# Altium PCB ct_mainpcb.PcbDoc (part 1 of 3) (continued)
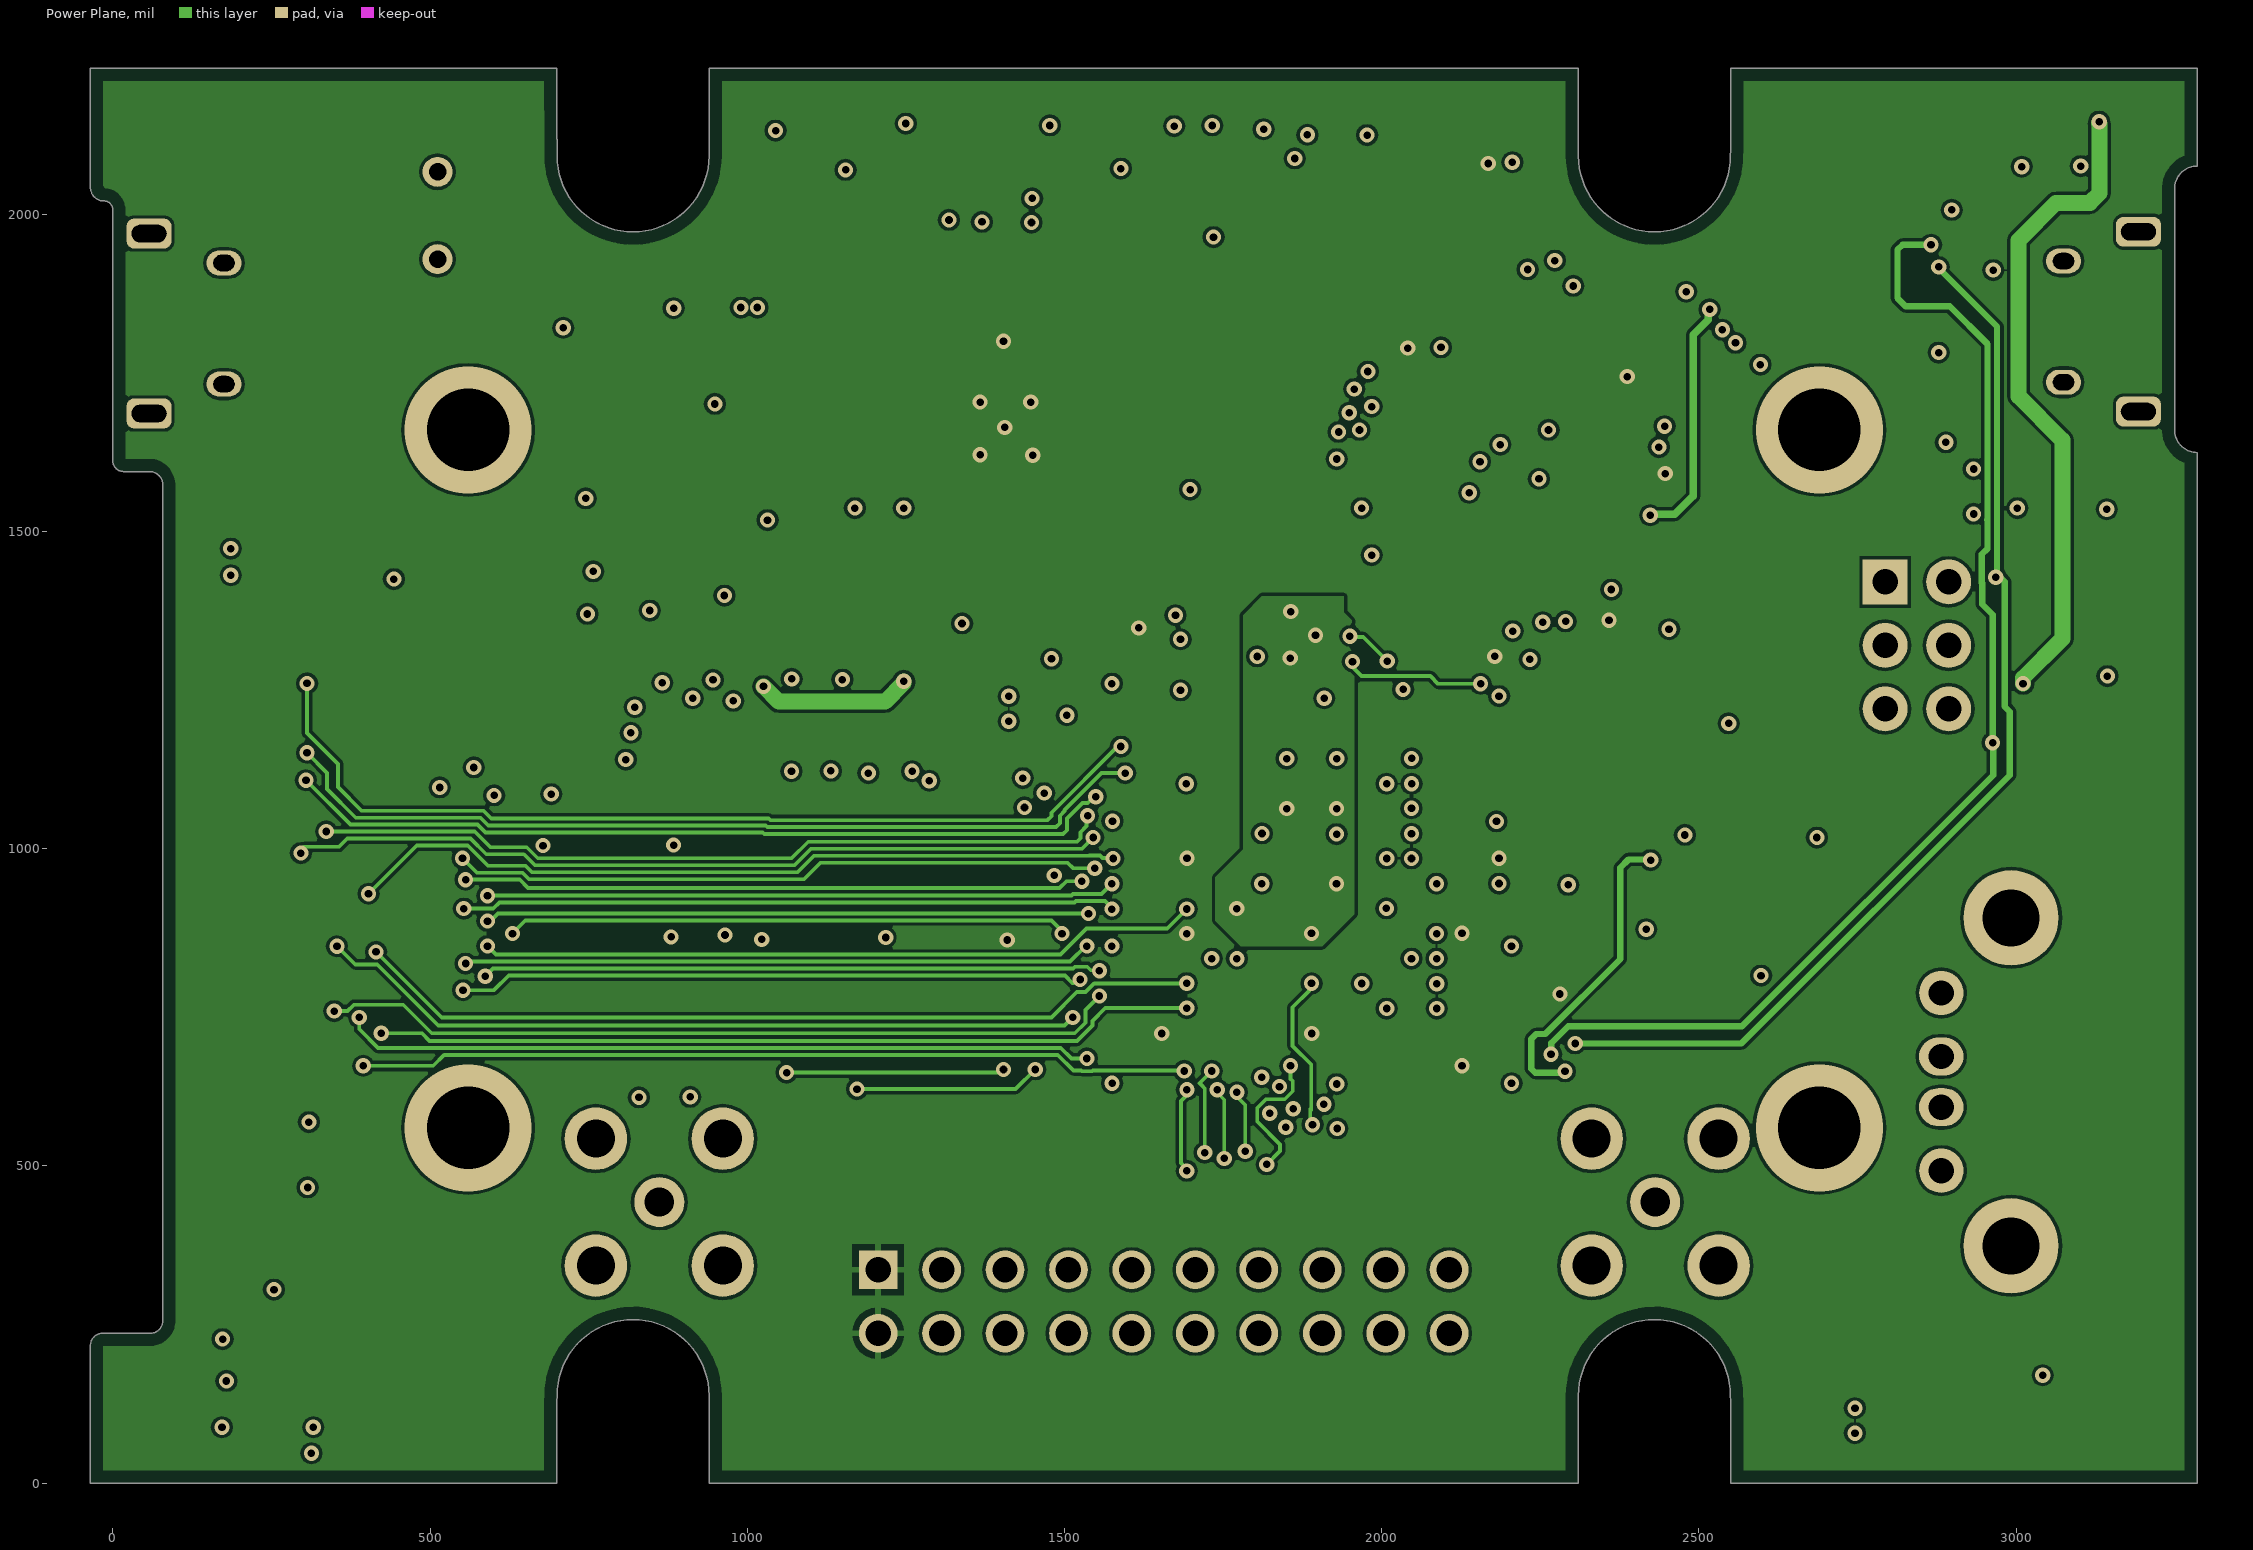
[diagram p3: Power Plane]
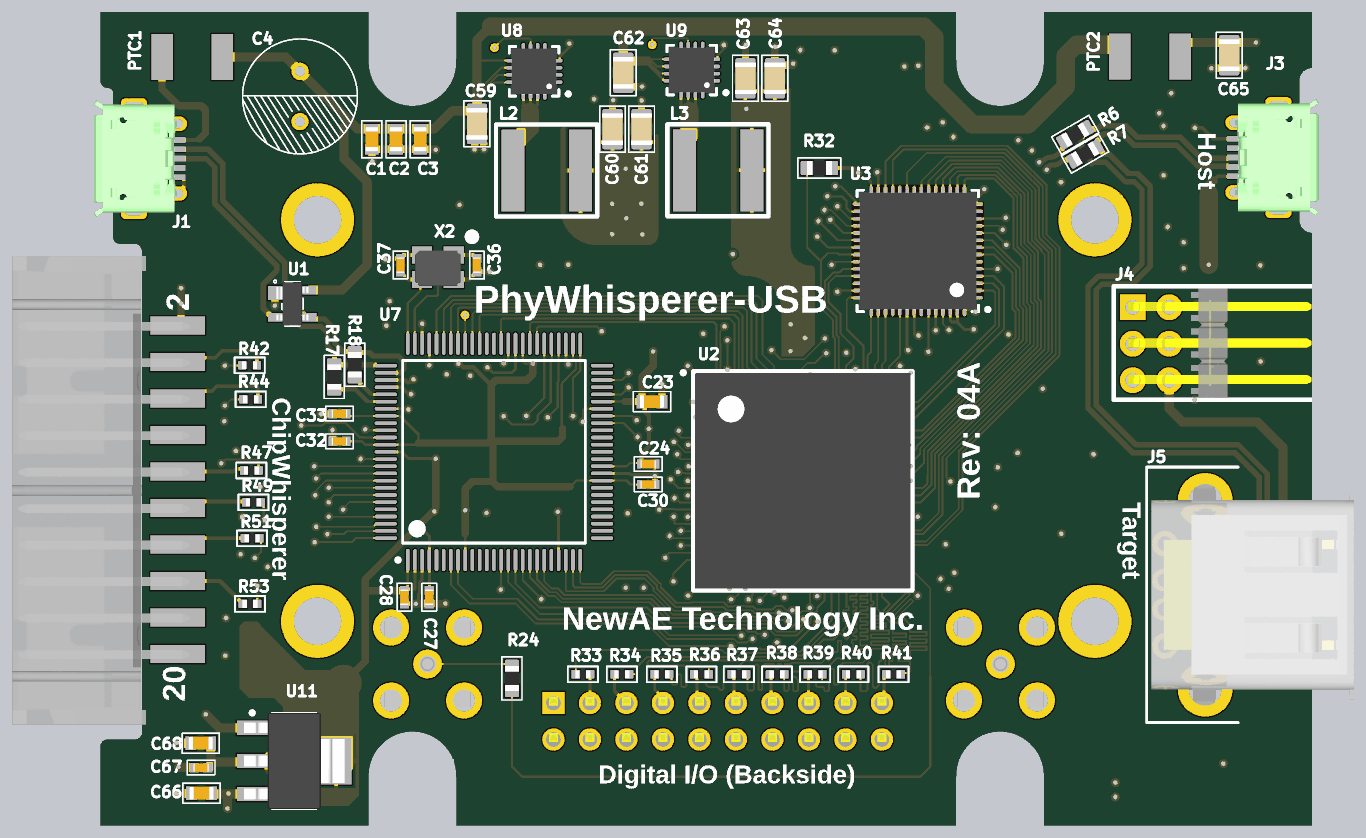
[diagram p6: 3D render of the assembled board from above, using the file's embedded part models]
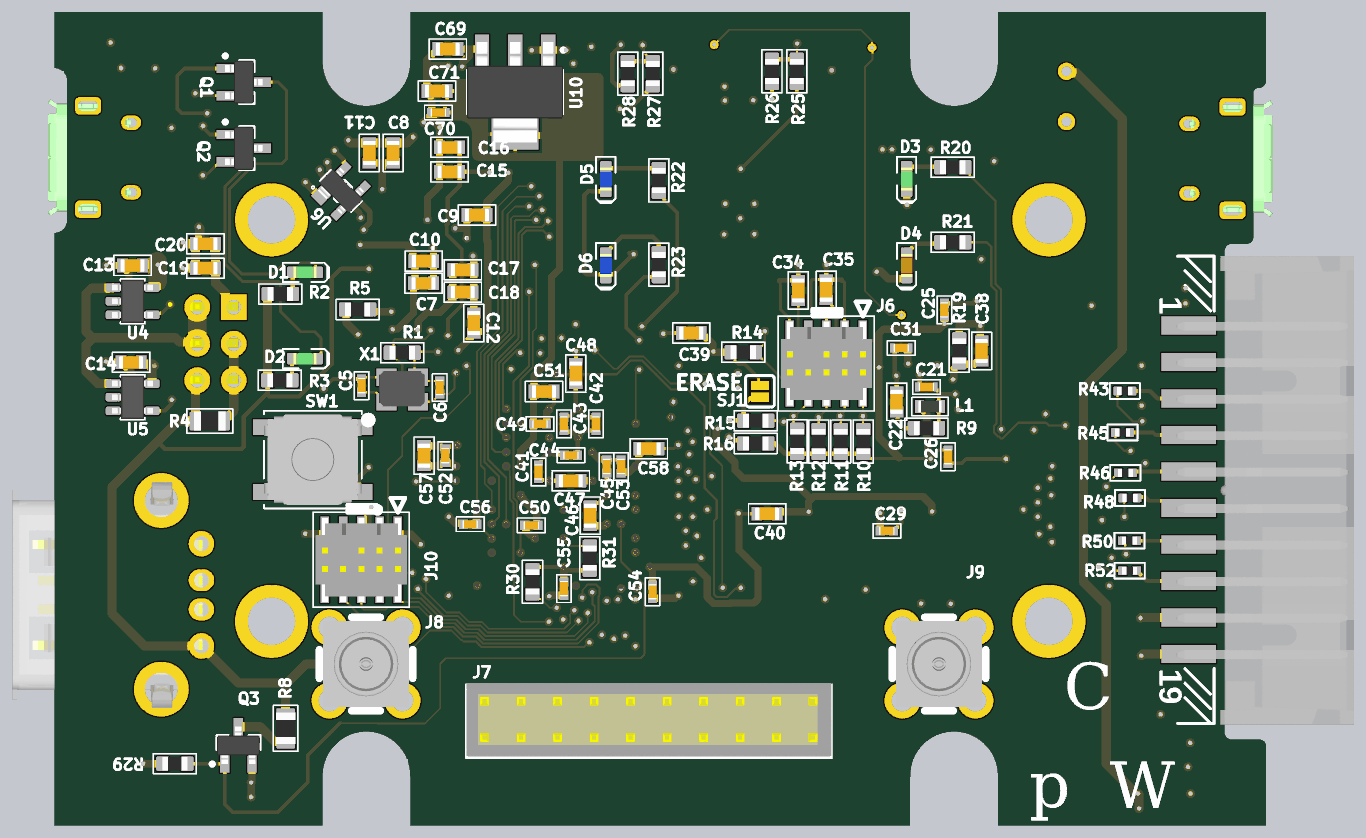
[diagram p7: 3D render of the assembled board from below, using the file's embedded part models]

## Layer stack, top to bottom
Top Solder: solder mask 0.4, Solder Resist, Dk 3.5
Component Side: signal copper 1.4
Dielectric 1: core 12.6, FR-4, Dk 4.8
Ground Plane: signal copper 1.3779
Dielectric 3: prepreg 5, Dk 4.2
Power Plane: signal copper 1.3779
Dielectric 4: core 10, Dk 4.2
Solder Side: signal copper 1.4
Bottom Solder: solder mask 0.4, Solder Resist, Dk 3.5

## Board outline
-35.43,0 -35.43,216.54 cw(c-15.75,216.54) -15.75,236.22 59.06,236.22 ccw(c59.06,255.91) 78.74,255.91 78.74,1573.46 ccw(c57.72,1573.46) 57.72,1594.49 16.73,1594.49 cw(c16.73,1611.22) 0,1611.22 0,2007 ccw(c-14,2007) -14,2021 cw(c-14,2042.43) -35.43,2042.43 -35.43,2230 699.84,2230 699.84,2118.16 700.16,2118.16 700.16,2092.13 ccw(c820,2092.13) 820,1972.29 ccw(c820,2092.13) 939.84,2092.13 940.16,2109 940.16,2230 2300,2230 2309.68,2230 2309.84,2229.84 2309.84,2101 2310.16,2092.13 ccw(c2430,2092.13) 2430,1972.29 ccw(c2430,2092.13) 2549.84,2092.13 2550.16,2101 2550.16,2230 3250,2230 3285.43,2230 3285.43,2076 ccw(c3285.43,2040.57) 3250,2040.57 3250,1659.92 ccw(c3285.43,1659.92) 3285.43,1624.49 3285.43,0 3250,0 2550.16,0 2550.16,130 2549.84,137.87 ccw(c2430,137.87) 2430,257.71 ccw(c2430,137.87) 2310.16,137.87 2309.84,130 2309.84,0 940.16,0 940.16,129 939.84,137.87 ccw(c820,137.87) 820,257.71 ccw(c820,137.87) 700.16,137.87 699.84,129 699.84,0

## Design rules (kind name [scope] priority, off if disabled: settings)
BoardOutlineClearance Silk_to_Outline [(OnLayer('Top Overlay'))] p1: gap=0 ignorepadtopadclearanceinfootprint=FALSE
BoardOutlineClearance [All] p2: gap=20 ignorepadtopadclearanceinfootprint=FALSE
Clearance [All] p1: gap=5 ignorepadtopadclearanceinfootprint=FALSE except(0: Arc-Hole Track-Hole SMDPad-Hole THPad-Hole Via-Hole Fill-Hole Poly-Hole Region-Hole Text-Hole)
DiffPairsRouting [InDifferentialPairClass('All Differential Pairs')] p1: maxlimit=12 minlimit=5 mostfreqgap=7 toplayer_minwidth=14 toplayer_maxwidth=16 toplayer_prefwidth=16 midlayer1_minwidth=15 midlayer1_maxwidth=16 midlayer1_prefwidth=16 midlayer2_minwidth=15 midlayer2_maxwidth=16 midlayer2_prefwidth=16 bottomlayer_minwidth=15 bottomlayer_maxwidth=16 bottomlayer_prefwidth=16 maxuncoupledlength=500
HoleSize [All] p1: absolutevalues=TRUE maxlimit=200 minlimit=1 maxpercent=80.000 minpercent=20.000
MinimumSolderMaskSliver [All] p1: minsoldermaskwidth=5
PlaneConnect PlaneConnect_viaDirect [IsVia] p1: planeconnectstyle=Direct reliefexpansion=20 reliefentries=4 reliefconductorwidth=10 reliefairgap=10
PlaneConnect [All] p2: planeconnectstyle=Relief reliefexpansion=20 reliefentries=4 reliefconductorwidth=10 reliefairgap=10
PolygonConnect PolygonConnect_viaDirect [All vs isVia] p1: connectstyle=Direct reliefconductorwidth=10 reliefentries=4 polygonreliefangle="90 Angle" airgapwidth=10
PolygonConnect [All] p2: connectstyle=Relief reliefconductorwidth=10 reliefentries=4 polygonreliefangle="90 Angle" airgapwidth=10
RoutingVias [All] p1: holewidth=28 width=50 viastyle="Through Hole" minholewidth=12 minwidth=24 maxholewidth=12 maxwidth=24
SilkToSilkClearance [All] p1: silktosilkclearance=5
SilkToSolderMaskClearance [IsPad] p1: minsilkscreentomaskgap=5 clearancetoexposedcopper=TRUE
SolderMaskExpansion [All] p1: expansion=4
Width [All] p1: maxlimit=100 minlimit=5 preferedwidth=8 midlayer1_minwidth=6 midlayer2_minwidth=6 minimp=50.000000 maximp=50.000000 favimp=50.000000
24 further rules are at their usual default settings.

## Classes and differential pairs
component class ct_fpga_io: R32
component class ct_fpga_pwr: C41 C42 C43 C44 C45 C46 C47 C48 C49 C50 C51 C52 C53 C54 C55 C56 C57 C58
component class ct_userio: D3 D4 D5 D6 J7 J8 J9 R20 R21 R22 R23 R24 R33 R34 R35 R36 R37 R38 R39 R40 R41 SW1
component class ct_frontend: C5 C6 C7 C8 C9 C10 C11 C12 C13 C14 C15 C16 C17 C18 C19 C20 C65 D1 D2 J3 J4 J5 PTC2 Q1 Q2 Q3 R1 R2 R3 R4 R5 R6 R7 R8 R29 U3 U4 U5 U6 X1
component class ct_back: C1 C2 C3 C4 J1 J2 PTC1 R42 R43 R44 R45 R46 R47 R48 R49 R50 R51 R52 R53 U1
component class fpga_misc: J10 R30 R31 U2
component class ct_psu: C39 C40 C59 C60 C61 C62 C63 C64 C66 C67 C68 C69 C70 C71 L2 L3 R25 R26 R27 R28 U8 U9 U10 U11
component class ct_micro: C21 C22 C23 C24 C25 C26 C27 C28 C29 C30 C31 C32 C33 C34 C35 C36 C37 C38 J6 L1 R9 R10 R11 R12 R13 R14 R15 R16 R17 R18 R19 SJ1 U7 X2
differential pair USBF_D: +USBF_D_P -USBF_D_N
differential pair USBT_D: +USBT_D_P -USBT_D_N
differential pair USBD: +USBD_P -USBD_N

## Components (designator, comment, footprint, x,y, rotation, side; value= is the part's Value field where it differs from the comment)
C1 "2u2" CAPC0603_M 708.66,1880.91 r270 top
C2 "2u2" CAPC0603_M 775,1880.91 r270 top
C3 "2u2" CAPC0603_M 841.36,1880.91 r270 top
C4 "680uF" Cap_16v_680uF 511.81,2066.93 r270 top
C5 "18p" CAPC0402_M 2443.35,1205.63 r90 bottom
C6 "18p" CAPC0402_M 2229.34,1200.7 r270 bottom
C7 "100n" CAPC0603_M 2273.62,1486.22 r180 bottom
C8 "100n" CAPC0603_M 2357,1843.44 r90 bottom
C9 "100n" CAPC0603_M 2126.99,1673.23 r0 bottom
C10 "100n" CAPC0603_M 2273,1547 r180 bottom
C11 "100n" CAPC0603_M 2422,1843.44 r90 bottom
C12 "100n" CAPC0603_M 2136,1377 r90 bottom
C13 "2u2" CAPC0603_M 3070.87,1535 r180 bottom
C14 "2u2" CAPC0603_M 3074.8,1269.68 r180 bottom
C15 "2u2" CAPC0603_M 2202.19,1791.34 r0 bottom
C16 "100n" CAPC0603_M 2202.19,1858.66 r0 bottom
C17 "2u2" CAPC0603_M 2166,1523 r180 bottom
C18 "100n" CAPC0603_M 2166,1462 r180 bottom
C19 "2u2" CAPC0603_M 2871.26,1527.56 r180 bottom
C20 "2u2" CAPC0603_M 2871.26,1594.49 r180 bottom
C21 "100n" CAPC0402_M 895.67,1202.02 r0 bottom
C22 "2u2" CAPC0603_M 977.42,1161.42 r90 bottom
C23 "2u2" CAPC0603_M 1476.38,1162.05 r0 top
C24 "100n" CAPC0402_M 1465.86,990.95 r0 top
C25 "100n" CAPC0402_M 846.46,1413.39 r90 bottom
C26 "100n" CAPC0402_M 836.61,1010.95 r270 bottom
C27 "100n" CAPC0402_M 866,626 r270 top
C28 "100n" CAPC0402_M 798,626 r270 top
C29 "100n" CAPC0402_M 1003.94,807.72 r0 bottom
C30 "100n" CAPC0402_M 1465.86,935.04 r0 top
C31 "100n" CAPC0402_M 964.57,1309.06 r0 bottom
C32 "100n" CAPC0402_M 620.08,1053.15 r180 top
C33 "100n" CAPC0402_M 620.08,1128.95 r180 top
C34 "2u2" CAPC0603_M 1246.79,1466.54 r90 bottom
C35 "2u2" CAPC0603_M 1170.28,1468.5 r90 bottom
C36 "18p" CAPC0402_M 996.54,1536.06 r270 top
C37 "18p" CAPC0402_M 787.4,1536.06 r90 top
C38 "10p" CAPC0603_M 744.42,1300.94 r90 bottom
C39 "100n" CAPC0603_M 1540,1350 r0 bottom
C40 "100n" CAPC0603_M 1332,855 r0 bottom
C41 "100n" CAPC0402_M 1958.66,969.29 r90 bottom
C42 "100n" CAPC0402_M 1801.18,1101 r90 bottom
C43 "100n" CAPC0402_M 1889.13,1101 r90 bottom
C44 "100n" CAPC0402_M 1869.61,1015 r0 bottom
C45 "100n" CAPC0402_M 1771.65,984.25 r90 bottom
C46 "2u2" CAPC0603_M 1816.93,849.36 r270 bottom
C47 "2u2" CAPC0603_M 1870.08,944.88 r180 bottom
C48 "2u2" CAPC0603_M 1856.3,1238.77 r270 bottom
C49 "100n" CAPC0402_M 1954.39,1101 r180 bottom
C50 "100n" CAPC0402_M 1978.35,823 r0 bottom
C51 "2u2" CAPC0603_M 1943.5,1189.61 r180 bottom
C52 "100n" CAPC0402_M 2214,1013.78 r90 bottom
C53 "100n" CAPC0402_M 1732.28,984.25 r90 bottom
C54 "100n" CAPC0402_M 1646,641 r270 bottom
C55 "100n" CAPC0402_M 1889.13,649.61 r270 bottom
C56 "100n" CAPC0402_M 2145.67,826 r0 bottom
C57 "2u2" CAPC0603_M 2272.14,1013.78 r90 bottom
C58 "2u2" CAPC0603_M 1656.3,1033.15 r180 bottom
C59 "22uF" CAPC0805_M 996.54,1923.23 r270 top
C60 "22uF" CAPC0805_M 1368.1,1908.46 r90 top
C61 "22uF" CAPC0805_M 1447.75,1908.47 r90 top
C62 "22uF" CAPC0805_M 1397.64,2062.99 r270 top
C63 "22uF" CAPC0805_M 1732.28,2047.77 r90 top
C64 "22uF" CAPC0805_M 1812.99,2047.76 r90 top
C65 "22uF" CAPC0805_M 3058,2111 r270 top
C66 "2u2" CAPC0603_M 242,89 r180 top
C67 "100n" CAPC0402_M 241,159 r180 top
C68 "2u2" CAPC0603_M 240,226 r180 top
C69 "2u2" CAPC0603_M 2207,2128 r0 bottom
C70 "100n" CAPC0402_M 2233,1954 r0 bottom
C71 "2u2" CAPC0603_M 2236.44,2013 r0 bottom
D1 "TUSB_PHOST" LED-0603-GREEN 2598.43,1515.91 r180 bottom
D2 "TUSB_PSNIFF" LED-0603-GREEN 2598.43,1279.68 r180 bottom
D3 "" LED-0603-GREEN 950,1771.65 r270 bottom
D4 "LED, 0603, Red" LED-0603-RED 950,1535.43 r270 bottom
D5 "LED, 0603, Blue" LED-0603-BLUE 1774.21,1771.65 r270 bottom
D6 "USB" LED-0603-BLUE 1774.21,1535.43 r270 bottom
J1 "USB_MicroB_Jack" ZX62D-B-5P8(30) 57.09,1827.76 r270 top
J2 "PN" CON-20HDR-EDGEMOUNT 177.17,870.47 r270 bottom
J3 "USB_MicroB_Jack" ZX62D-B-5P8(30) 3192.91,1830.71 r90 top
J4 "TSW-103-08-F-D-RA" HDR_6PIN_2ROW_RA_UNSHROUDED 2843.7,1320.47 r0 top
J5 "USB-A-S-F-W-TH" USB-A-S-F-W-TH 2882.13,632.52 r90 top locked
J6 "10 Pin Cortex Program & Debug" 0.5mm_SMD_Header_5x2 1069.68,1336.96 r270 bottom
J7 "EW-10-09-G-D-300" EW-10-09-G-D-300 1206.3,336.22 r0 bottom
J8 "MCX 733660061" CONN_MCX_733660061 2431.1,442.91 r180 bottom
J9 "MCX 733660061" CONN_MCX_733660061 861.42,442.91 r180 bottom
J10 "10 Pin Cortex Program & Debug" 0.5mm_SMD_Header_5x2 2344,799.45 r270 bottom
L1 "10u" IND_0603 885.83,1148.64 r180 bottom
L2 "4.7uH" NR6028 1187.99,1795.24 r0 top
L3 "4.7uH" NR6028 1657.48,1795.74 r0 top
PTC1 "MF-MSMF050" BOUR-MF-MSMF050-2_V 216.54,2106.3 r0 top
PTC2 "MF-MSMF050" BOUR-MF-MSMF050-2_V 2841,2107 r0 top
Q1 "DMN3200U-7" SOT95P245X110-3M 2765.75,2037.4 r180 bottom
Q2 "DMN3200U-7" SOT95P245X110-3M 2765.75,1856.3 r180 bottom
Q3 "DMN3200U-7" SOT95P245X110-3M 2780.83,219.95 r90 bottom
R1 "1M6" RESC1608X55N 2332,1296.05 r180 bottom
R2 "330R" RESC1608X55N 2666.02,1456.69 r0 bottom
R3 "330R" RESC1608X55N 2667.32,1220.47 r0 bottom
R4 "5R1" RESC2012X70N 2859.25,1108.7 r0 bottom
R5 "12k" RESC1608X55N 2454.31,1414.37 r0 bottom
R6 "1R0" RESC1608X55N 2636,1893 r30 top
R7 "1R0" RESC1608X55N 2663,1841 r30 top
R8 "5R1" RESC2012X70N 2651.36,266.53 r90 bottom
R9 "1R0" RESC1608X55N 895.67,1089.19 r0 bottom
R10 "100k" RESC1608X55N 1068.5,1052.55 r90 bottom
R11 "100k" RESC1608X55N 1130.32,1052.55 r90 bottom
R12 "100k" RESC1608X55N 1190.93,1052.56 r90 bottom
R13 "100k" RESC1608X55N 1250,1053.15 r90 bottom
R14 "1k" RESC1608X55N 1397.64,1297.24 r0 bottom
R15 "1k" RESC1608X55N 1363.19,1109.58 r180 bottom
R16 "1k" RESC1608X55N 1363.19,1047.24 r180 bottom
R17 "39R" RESC1608X55N 605.68,1229.54 r270 top
R18 "39R" RESC1608X55N 662,1263 r270 top
R19 "6k8" RESC1608X55N 806,1300.94 r90 bottom
R20 "330R" RESC1608X55N 823.64,1804.12 r0 bottom
R21 "330R" RESC1608X55N 823.64,1598.42 r0 bottom
R22 "330R" RESC1608X55N 1628.74,1768 r90 bottom
R23 "330R" RESC1608X55N 1628.74,1537.24 r90 bottom
R24 "10R" RESC1608X55N 1092.62,403.5 r90 top
R25 "10k" RESC1608X55N 1250.69,2066.93 r90 bottom
R26 "2k2" RESC1608X55N 1318.9,2066.93 r270 bottom
R27 "10k" RESC1608X55N 1645.54,2060.61 r90 bottom
R28 "15k" RESC1608X55N 1713.83,2060.61 r270 bottom
R29 "1k" RESC1608X55N 2955,170 r180 bottom
R30 "1k" RESC1608X55N 1975,668 r270 bottom
R31 "1k" RESC1608X55N 1818,733 r90 bottom
R32 "10k" RESC1608X55N 1935,1802 r180 top
R33 "22R" RESC1005X40N 1286.98,414.78 r0 top
R34 "22R" RESC1005X40N 1393.7,414.77 r180 top
R35 "22R" RESC1005X40N 1503.49,414.76 r180 top
R36 "22R" RESC1005X40N 1611.94,414.75 r180 top
R37 "22R" RESC1005X40N 1714.37,414.76 r180 top
R38 "22R" RESC1005X40N 1818.9,414.76 r180 top
R39 "22R" RESC1005X40N 1923.23,414.76 r180 top
R40 "22R" RESC1005X40N 2027.99,414.76 r180 top
R41 "22R" RESC1005X40N 2138.11,414.75 r180 top
R42 "22R" RESC1005X40N 374.02,1261.57 r180 top
R43 "22R" RESC1005X40N 352.19,1191.02 r180 bottom
R44 "22R" RESC1005X40N 376.81,1168 r180 top
R45 "22R" RESC1005X40N 358.32,1077.42 r180 bottom
R46 "22R" RESC1005X40N 350.67,966.65 r180 bottom
R47 "22R" RESC1005X40N 378.44,973.31 r0 top
R48 "22R" RESC1005X40N 338,898 r180 bottom
R49 "22R" RESC1005X40N 384.27,885.86 r0 top
R50 "22R" RESC1005X40N 339.39,781.19 r180 bottom
R51 "22R" RESC1005X40N 380.54,787.54 r0 top
R52 "22R" RESC1005X40N 339.04,698.64 r180 bottom
R53 "22R" RESC1005X40N 374.86,607.89 r0 top
SJ1 "NO" SJ_2S_NO 1352,1190 r90 bottom
SW1 "KSC741J LFS" ESWITCH_LL3301 2577,1003.19 r0 bottom
U1 "PRTR5V0U2AX" SOT143B 490.81,1430 r0 top
U2 "XC7S15-1FTGB196C" BGA_FTGB196 1889.76,944.88 r0 top locked
U3 "USB3500-ABZJ" QFN50P800X800X100_HS-57M 2204.72,1574.8 r180 top locked
U4 "AP22802" SOT23-5P95_285X145L45X40 3070.62,1437.01 r270 bottom
U5 "AP22802" SOT23-5P95_285X145L45X40 3070.62,1174 r270 bottom
U6 "PRTR5V0U2AX" SOT143B 2499.85,1739.04 r135 bottom
U7 "ATSAM3U1CA-AU" LQFP100_L 1043.31,1024.25 r90 top locked
U8 "RT8058" QFN16_50P300X300X100_HS-17M 1153.25,2066.93 r180 top
U9 "RT8058" QFN16_50P300X300X100_HS-17M 1585.5,2070.45 r180 top
U10 "LD1117S18" SOT-223 2022.72,2010.05 r270 bottom
U11 "LD1117S33" SOT-223 496.06,177.36 r0 top
X1 "ABM8G-24.000MHZ-4Y-T3" ABM8G 2375.15,1161.53 r180 bottom value=24.000MHz
X2 "ABM8G-12.000MHZ-4Y-T3" ABM8G 933.07,1563.62 r180 top value=12.000MHz

## Footprints (in the part's own frame and the unit in brackets; to place one, negate y for a bottom-side part, rotate by r counter-clockwise, add the part's x,y. Pads: shape width x height; smd on the part's side, far side on the other; paste and mask are expansions set on the pad)
0.5mm_SMD_Header_5x2 [mm]
  rect 2.4x0.6 smd: 1(0,0) 2(3.6,0) 3(0,-1.27) 4(3.6,-1.27) 5(0,-2.54) 6(3.6,-2.54) 7(0,-3.81) 8(3.6,-3.81) 9(0,-5.08) 10(3.6,-5.08)
  silkscreen extent -2.5,-5.9 5.1,0.8, body extent -1.12,-5.71 4.72,0.64, height 6.11
ABM8G [mm]
  rect 1.4x1.2 smd: 1(0,0) 2(2.2,0) 3(2.2,1.7) 4(0,1.7)
  silkscreen extent -1.52,-1.52 -1.02,-1.02, body extent -0.51,-0.33 2.69,2.16, height 0.99
BGA_FTGB196 [mm] "BGA, 196-Leads, Body 15.00x15.00mmx1.55mm, Pitch 1.00mm"
  round 0.4 smd: A1(-6.5,6.5) A2(-5.5,6.5) A3(-4.5,6.5) A4(-3.5,6.5) A5(-2.5,6.5) A6(-1.5,6.5) A7(-0.5,6.5) A8(0.5,6.5) A9(1.5,6.5) A10(2.5,6.5) A11(3.5,6.5) A12(4.5,6.5) A13(5.5,6.5) A14(6.5,6.5) B1(-6.5,5.5) B2(-5.5,5.5) B3(-4.5,5.5) B4(-3.5,5.5) B5(-2.5,5.5) B6(-1.5,5.5) B7(-0.5,5.5) B8(0.5,5.5) B9(1.5,5.5) B10(2.5,5.5) B11(3.5,5.5) B12(4.5,5.5) B13(5.5,5.5) B14(6.5,5.5) C1(-6.5,4.5) C2(-5.5,4.5) C3(-4.5,4.5) C4(-3.5,4.5) C5(-2.5,4.5) C6(-1.5,4.5) C7(-0.5,4.5) C8(0.5,4.5) C9(1.5,4.5) C10(2.5,4.5) C11(3.5,4.5) C12(4.5,4.5) C13(5.5,4.5) C14(6.5,4.5) D1(-6.5,3.5) D2(-5.5,3.5) D3(-4.5,3.5) D4(-3.5,3.5) D5(-2.5,3.5) D6(-1.5,3.5) D7(-0.5,3.5) D8(0.5,3.5) D9(1.5,3.5) D10(2.5,3.5) D11(3.5,3.5) D12(4.5,3.5) D13(5.5,3.5) D14(6.5,3.5) E1(-6.5,2.5) E2(-5.5,2.5) E3(-4.5,2.5) E4(-3.5,2.5) E5(-2.5,2.5) E6(-1.5,2.5) E7(-0.5,2.5) E8(0.5,2.5) E9(1.5,2.5) E10(2.5,2.5) E11(3.5,2.5) E12(4.5,2.5) E13(5.5,2.5) E14(6.5,2.5) F1(-6.5,1.5) F2(-5.5,1.5) F3(-4.5,1.5) F4(-3.5,1.5) F5(-2.5,1.5) F6(-1.5,1.5) F7(-0.5,1.5) F8(0.5,1.5) F9(1.5,1.5) F10(2.5,1.5) F11(3.5,1.5) F12(4.5,1.5) F13(5.5,1.5) F14(6.5,1.5) G1(-6.5,0.5) G2(-5.5,0.5) G3(-4.5,0.5) G4(-3.5,0.5) G5(-2.5,0.5) G6(-1.5,0.5) G7(-0.5,0.5) G8(0.5,0.5) G9(1.5,0.5) G10(2.5,0.5) G11(3.5,0.5) G12(4.5,0.5) G13(5.5,0.5) G14(6.5,0.5) H1(-6.5,-0.5) H2(-5.5,-0.5) H3(-4.5,-0.5) H4(-3.5,-0.5) H5(-2.5,-0.5) H6(-1.5,-0.5) H7(-0.5,-0.5) H8(0.5,-0.5) H9(1.5,-0.5) H10(2.5,-0.5) H11(3.5,-0.5) H12(4.5,-0.5) H13(5.5,-0.5) H14(6.5,-0.5) J1(-6.5,-1.5) J2(-5.5,-1.5) J3(-4.5,-1.5) J4(-3.5,-1.5) J5(-2.5,-1.5) J6(-1.5,-1.5) J7(-0.5,-1.5) J8(0.5,-1.5) J9(1.5,-1.5) J10(2.5,-1.5) J11(3.5,-1.5) J12(4.5,-1.5) J13(5.5,-1.5) J14(6.5,-1.5) K1(-6.5,-2.5) K2(-5.5,-2.5) K3(-4.5,-2.5) K4(-3.5,-2.5) K5(-2.5,-2.5) K6(-1.5,-2.5) K7(-0.5,-2.5) K8(0.5,-2.5) K9(1.5,-2.5) K10(2.5,-2.5) K11(3.5,-2.5) K12(4.5,-2.5) K13(5.5,-2.5) K14(6.5,-2.5) L1(-6.5,-3.5) L2(-5.5,-3.5) L3(-4.5,-3.5) L4(-3.5,-3.5) L5(-2.5,-3.5) L6(-1.5,-3.5) L7(-0.5,-3.5) L8(0.5,-3.5) L9(1.5,-3.5) L10(2.5,-3.5) L11(3.5,-3.5) L12(4.5,-3.5) L13(5.5,-3.5) L14(6.5,-3.5) M1(-6.5,-4.5) M2(-5.5,-4.5) M3(-4.5,-4.5) M4(-3.5,-4.5) M5(-2.5,-4.5) M6(-1.5,-4.5) M7(-0.5,-4.5) M8(0.5,-4.5) M9(1.5,-4.5) M10(2.5,-4.5) M11(3.5,-4.5) M12(4.5,-4.5) M13(5.5,-4.5) M14(6.5,-4.5) N1(-6.5,-5.5) N2(-5.5,-5.5) N3(-4.5,-5.5) N4(-3.5,-5.5) N5(-2.5,-5.5) N6(-1.5,-5.5) N7(-0.5,-5.5) N8(0.5,-5.5) N9(1.5,-5.5) N10(2.5,-5.5) N11(3.5,-5.5) N12(4.5,-5.5) N13(5.5,-5.5) N14(6.5,-5.5) P1(-6.5,-6.5) P2(-5.5,-6.5) P3(-4.5,-6.5) P4(-3.5,-6.5) P5(-2.5,-6.5) P6(-1.5,-6.5) P7(-0.5,-6.5) P8(0.5,-6.5) P9(1.5,-6.5) P10(2.5,-6.5) P11(3.5,-6.5) P12(4.5,-6.5) P13(5.5,-6.5) P14(6.5,-6.5)